# KiCad board Atari TT030.kicad_pcb (continued)
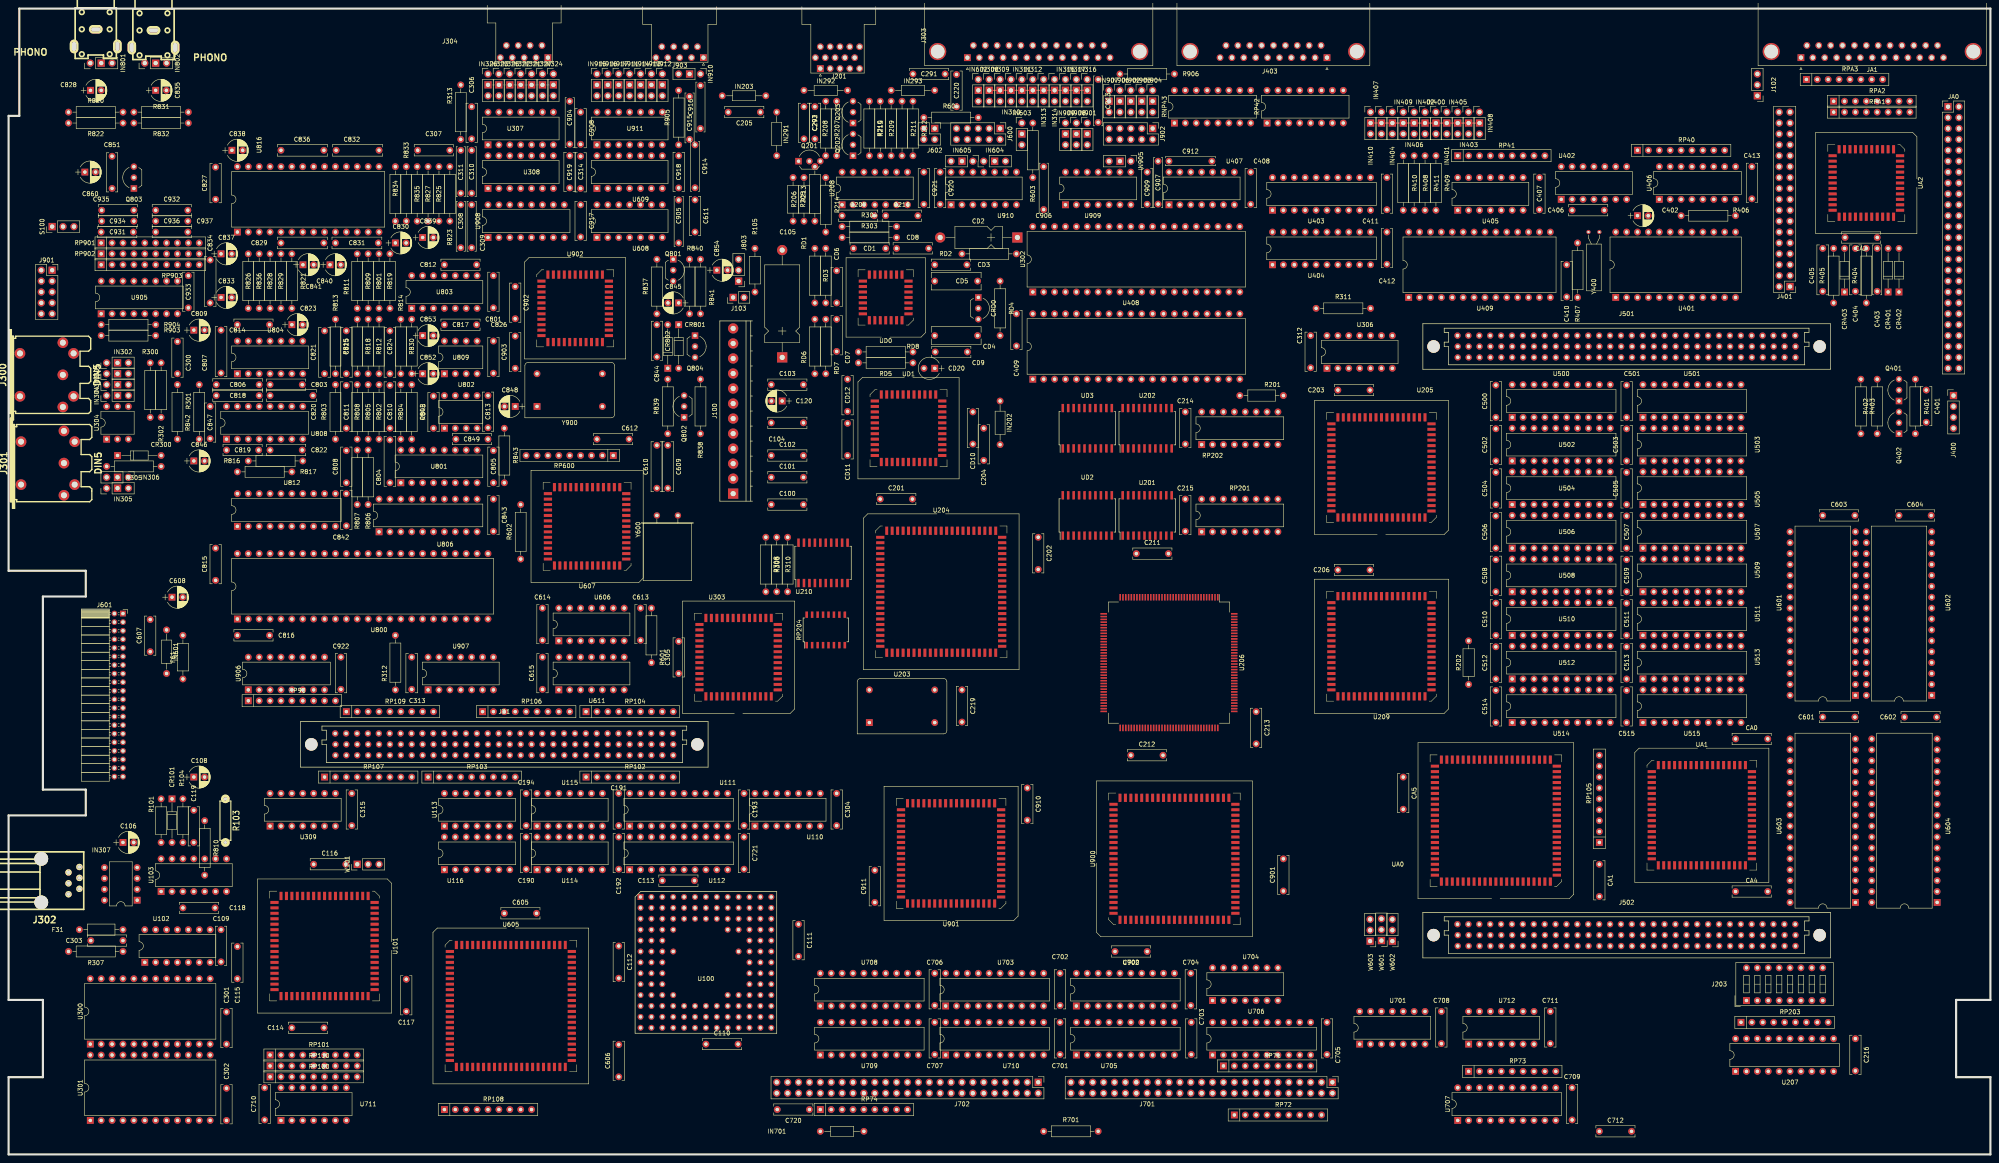
[diagram p0: board, top side]
## Placement (name value [footprint] x y rotation side) (continued)
J801  PHONO  [rca_red]  20.32 262.17 180 top
J802  PHONO  [rca_white]  33.78 261.92 180 top
J803  Conn_01x03  [Pin_Header_Straight_1x03_Pitch2.54mm]  170.18 203.5 180 top
J901  8MDIN  [Socket_Strip_Straight_2x05_Pitch2.54mm]  10.16 206.04 0 top
J902  10DRS  [Pin_Header_Straight_2x05_Pitch2.54mm]  266.7 239.06 270 top
J903  DB9P  [DSUB-9_Male_Horizontal_Pitch2.77x2.54mm_EdgePinOffset9.40mm]  161.98 255.57 180 top
JA0  50DRS  [Pin_Header_Straight_2x25_Pitch2.54mm]  452.12 244.14 0 top
JA1  DB-25S  [DSUB-25_Female_Horizontal_Pitch2.77x2.84mm_EdgePinOffset9.90mm_Housed_MountingHolesOffset11.32mm]  417.83 255.57 180 top
JB1  -  [EURO]  115.57 95.55 0 top
Q201  2N3904  [TO-92_Inline_Wide]  184.15 231.44 0 top
Q202  2N3904  [TO-92_Inline_Wide]  196.85 232.71 90 top
Q203  2N3904  [TO-92_Inline_Wide]  196.85 240.33 90 top
Q401  2N3906  [TO-92_Inline_Wide]  440.69 175.56 90 top
Q402  2N3904  [TO-92_Inline_Wide]  440.69 167.94 90 top
Q801  2N3904  [TO-92_Inline_Wide]  154.94 208.58 270 top
Q802  2N3904  [TO-92_Inline_Wide]  157.48 171.75 90 top
Q803  LM78L82  [TO-92_Inline_Wide]  29.21 225.09 90 top
Q804  2N3906  [TO-92_Inline_Wide]  160.02 190.8 270 top
R101  22K  [R_Axial_DIN0207_L6.3mm_D2.5mm_P10.16mm_Horizontal]  35.56 72.69 90 top
R103  4.7K  [RC05]  50.55 77.77 270 top
R104  10K  [R_Axial_DIN0207_L6.3mm_D2.5mm_P10.16mm_Horizontal]  40.64 82.85 270 top
R105  120  [R_Axial_DIN0207_L6.3mm_D2.5mm_P10.16mm_Horizontal]  173.99 211.12 270 top
R201  1K2  [R_Axial_DIN0207_L6.3mm_D2.5mm_P10.16mm_Horizontal]  287.02 176.83 0 top
R202  1K2  [R_Axial_DIN0207_L6.3mm_D2.5mm_P10.16mm_Horizontal]  340.36 109.52 90 top
R205  75  [R_Axial_DIN0207_L6.3mm_D2.5mm_P10.16mm_Horizontal]  182.88 227.63 270 top
R206  100  [R_Axial_DIN0207_L6.3mm_D2.5mm_P10.16mm_Horizontal]  185.42 217.47 90 top
R207  75  [R_Axial_DIN0309_L9.0mm_D3.2mm_P12.70mm_Horizontal]  190.5 245.41 270 top
R208  100  [R_Axial_DIN0309_L9.0mm_D3.2mm_P12.70mm_Horizontal]  193.04 232.71 90 top
R209  75  [R_Axial_DIN0309_L9.0mm_D3.2mm_P12.70mm_Horizontal]  203.2 245.41 270 top
R210  100  [R_Axial_DIN0309_L9.0mm_D3.2mm_P12.70mm_Horizontal]  205.74 232.71 90 top
R211  330  [R_Axial_DIN0309_L9.0mm_D3.2mm_P12.70mm_Horizontal]  208.28 245.41 270 top
R212  330  [R_Axial_DIN0309_L9.0mm_D3.2mm_P12.70mm_Horizontal]  210.82 245.41 270 top
R213  360  [R_Axial_DIN0309_L9.0mm_D3.2mm_P12.70mm_Horizontal]  187.96 217.47 90 top
R214  360  [R_Axial_DIN0309_L9.0mm_D3.2mm_P12.70mm_Horizontal]  190.5 227.63 270 top
R215  360  [R_Axial_DIN0309_L9.0mm_D3.2mm_P12.70mm_Horizontal]  200.66 245.41 270 top
R300  220  [R_Axial_DIN0309_L9.0mm_D3.2mm_P12.70mm_Horizontal]  33.02 171.75 90 top
R301  4K7  [R_Axial_DIN0309_L9.0mm_D3.2mm_P12.70mm_Horizontal]  39.37 166.67 90 top
R302  220  [R_Axial_DIN0309_L9.0mm_D3.2mm_P12.70mm_Horizontal]  35.56 171.75 90 top
R303  220  [R_Axial_DIN0309_L9.0mm_D3.2mm_P12.70mm_Horizontal]  194.31 213.66 0 top
R304  220  [R_Axial_DIN0309_L9.0mm_D3.2mm_P12.70mm_Horizontal]  194.31 216.2 0 top
R305  220  [R_Axial_DIN0309_L9.0mm_D3.2mm_P12.70mm_Horizontal]  35.56 160.32 180 top
R306  2K2  [R_Axial_DIN0309_L9.0mm_D3.2mm_P12.70mm_Horizontal]  176.53 143.81 270 top
R307  10K  [R_Axial_DIN0309_L9.0mm_D3.2mm_P12.70mm_Horizontal]  26.67 47.29 180 top
R308  3K3  [R_Axial_DIN0309_L9.0mm_D3.2mm_P12.70mm_Horizontal]  181.61 131.11 90 top
R310  10K  [R_Axial_DIN0309_L9.0mm_D3.2mm_P12.70mm_Horizontal]  179.07 143.81 270 top
R311  1K  [R_Axial_DIN0309_L9.0mm_D3.2mm_P12.70mm_Horizontal]  304.8 197.15 0 top
R312  4K7  [R_Axial_DIN0309_L9.0mm_D3.2mm_P12.70mm_Horizontal]  90.17 120.95 270 top
R313  12K  [R_Axial_DIN0309_L9.0mm_D3.2mm_P12.70mm_Horizontal]  105.41 249.22 270 top
R401  10K  [R_Axial_DIN0309_L9.0mm_D3.2mm_P12.70mm_Horizontal]  444.5 180.64 270 top
R402  51K  [R_Axial_DIN0309_L9.0mm_D3.2mm_P12.70mm_Horizontal]  435.61 167.94 90 top
R403  10K  [R_Axial_DIN0309_L9.0mm_D3.2mm_P12.70mm_Horizontal]  431.8 180.64 270 top
R404  2K  [R_Axial_DIN0309_L9.0mm_D3.2mm_P12.70mm_Horizontal]  433.07 198.42 90 top
R405  1K  [R_Axial_DIN0309_L9.0mm_D3.2mm_P12.70mm_Horizontal]  425.45 198.42 90 top
R406  10K  [R_Axial_DIN0309_L9.0mm_D3.2mm_P12.70mm_Horizontal]  389.89 218.74 0 top
R407  2M2  [R_Axial_DIN0309_L9.0mm_D3.2mm_P12.70mm_Horizontal]  365.76 199.69 90 top
R408  47  [R_Axial_DIN0309_L9.0mm_D3.2mm_P12.70mm_Horizontal]  327.66 232.71 270 top
R409  47  [R_Axial_DIN0309_L9.0mm_D3.2mm_P12.70mm_Horizontal]  332.74 232.71 270 top
R410  47  [R_Axial_DIN0309_L9.0mm_D3.2mm_P12.70mm_Horizontal]  325.12 232.71 270 top
R411  47  [R_Axial_DIN0309_L9.0mm_D3.2mm_P12.70mm_Horizontal]  330.2 232.71 270 top
R601  1K2  [R_Axial_DIN0309_L9.0mm_D3.2mm_P12.70mm_Horizontal]  149.86 114.6 90 top
R602  1K2  [R_Axial_DIN0309_L9.0mm_D3.2mm_P12.70mm_Horizontal]  119.38 138.73 90 top
R603  200  [R_Axial_DIN0309_L9.0mm_D3.2mm_P12.70mm_Horizontal]  238.76 227.63 90 top
R604  200  [R_Axial_DIN0309_L9.0mm_D3.2mm_P12.70mm_Horizontal]  213.36 241.6 0 top
R701  1K  [R_Axial_DIN0309_L9.0mm_D3.2mm_P12.70mm_Horizontal]  241.3 5.38 0 top
R801  8K2 1%  [R_Axial_DIN0309_L9.0mm_D3.2mm_P12.70mm_Horizontal]  86.36 197.15 90 top
R802  10K 1%  [R_Axial_DIN0309_L9.0mm_D3.2mm_P12.70mm_Horizontal]  86.36 166.67 90 top
R803  10K 1%  [R_Axial_DIN0309_L9.0mm_D3.2mm_P12.70mm_Horizontal]  76.2 166.67 90 top
R804  10K 1%  [R_Axial_DIN0309_L9.0mm_D3.2mm_P12.70mm_Horizontal]  91.44 179.37 270 top
R805  10K 1%  [R_Axial_DIN0309_L9.0mm_D3.2mm_P12.70mm_Horizontal]  83.82 166.67 90 top
R806  10K 1%  [R_Axial_DIN0309_L9.0mm_D3.2mm_P12.70mm_Horizontal]  83.82 151.43 90 top
R807  10K 1%  [R_Axial_DIN0309_L9.0mm_D3.2mm_P12.70mm_Horizontal]  81.28 164.13 270 top
R808  1K8 1%  [R_Axial_DIN0309_L9.0mm_D3.2mm_P12.70mm_Horizontal]  81.28 166.67 90 top
R809  8K2 1%  [R_Axial_DIN0309_L9.0mm_D3.2mm_P12.70mm_Horizontal]  83.82 197.15 90 top
R810  2K2  [R_Axial_DIN0309_L9.0mm_D3.2mm_P12.70mm_Horizontal]  45.72 77.77 270 top
R811  8K2 1%  [R_Axial_DIN0309_L9.0mm_D3.2mm_P12.70mm_Horizontal]  81.28 209.85 270 top
R812  10K 1%  [R_Axial_DIN0309_L9.0mm_D3.2mm_P12.70mm_Horizontal]  86.36 181.91 90 top
R813  10K 1%  [R_Axial_DIN0309_L9.0mm_D3.2mm_P12.70mm_Horizontal]  76.2 194.61 270 top
R814  10K 1%  [R_Axial_DIN0309_L9.0mm_D3.2mm_P12.70mm_Horizontal]  91.44 194.61 270 top
R815  10K 1%  [R_Axial_DIN0309_L9.0mm_D3.2mm_P12.70mm_Horizontal]  81.28 181.91 90 top
R816  10K 1%  [R_Axial_DIN0309_L9.0mm_D3.2mm_P12.70mm_Horizontal]  55.88 161.59 0 top
R817  10K 1%  [R_Axial_DIN0309_L9.0mm_D3.2mm_P12.70mm_Horizontal]  53.34 159.05 0 top
R818  1K8 1%  [R_Axial_DIN0309_L9.0mm_D3.2mm_P12.70mm_Horizontal]  83.82 181.91 90 top
R819  8K2  [R_Axial_DIN0309_L9.0mm_D3.2mm_P12.70mm_Horizontal]  88.9 209.85 270 top
R820  1K  [R_Axial_DIN0309_L9.0mm_D3.2mm_P12.70mm_Horizontal]  13.97 242.87 0 top
R821  51K  [R_Axial_DIN0309_L9.0mm_D3.2mm_P12.70mm_Horizontal]  66.04 209.85 270 top
R822  270K  [R_Axial_DIN0309_L9.0mm_D3.2mm_P12.70mm_Horizontal]  13.97 240.33 0 top
R823  47K  [R_Axial_DIN0309_L9.0mm_D3.2mm_P12.70mm_Horizontal]  102.87 217.47 90 top
R825  10K  [R_Axial_DIN0309_L9.0mm_D3.2mm_P12.70mm_Horizontal]  100.33 230.17 270 top
R826  10K  [R_Axial_DIN0309_L9.0mm_D3.2mm_P12.70mm_Horizontal]  55.88 209.85 270 top
R827  1K  [R_Axial_DIN0309_L9.0mm_D3.2mm_P12.70mm_Horizontal]  97.79 230.17 270 top
R828  10K  [R_Axial_DIN0309_L9.0mm_D3.2mm_P12.70mm_Horizontal]  60.96 209.85 270 top
R829  51K  [R_Axial_DIN0309_L9.0mm_D3.2mm_P12.70mm_Horizontal]  63.5 197.15 90 top
R830  100K 1%  [R_Axial_DIN0309_L9.0mm_D3.2mm_P12.70mm_Horizontal]  93.98 181.91 90 top
R831  1K  [R_Axial_DIN0309_L9.0mm_D3.2mm_P12.70mm_Horizontal]  29.21 242.87 0 top
R832  270K  [R_Axial_DIN0309_L9.0mm_D3.2mm_P12.70mm_Horizontal]  29.21 240.33 0 top
R833  47K  [R_Axial_DIN0309_L9.0mm_D3.2mm_P12.70mm_Horizontal]  92.71 217.47 90 top
R834  10K  [R_Axial_DIN0309_L9.0mm_D3.2mm_P12.70mm_Horizontal]  90.17 217.47 90 top
R835  1K  [R_Axial_DIN0309_L9.0mm_D3.2mm_P12.70mm_Horizontal]  95.25 230.17 270 top
R836  1K  [R_Axial_DIN0309_L9.0mm_D3.2mm_P12.70mm_Horizontal]  58.42 209.85 270 top
R837  5K1  [R_Axial_DIN0309_L9.0mm_D3.2mm_P12.70mm_Horizontal]  151.13 195.88 90 top
R838  4K7  [R_Axial_DIN0309_L9.0mm_D3.2mm_P12.70mm_Horizontal]  161.29 167.94 90 top
R839  5K1  [R_Axial_DIN0309_L9.0mm_D3.2mm_P12.70mm_Horizontal]  153.67 167.94 90 top
R840  2K7  [R_Axial_DIN0309_L9.0mm_D3.2mm_P12.70mm_Horizontal]  158.75 208.58 270 top
R841  2K7  [R_Axial_DIN0309_L9.0mm_D3.2mm_P12.70mm_Horizontal]  161.29 208.58 270 top
R842  10  [R_Axial_DIN0309_L9.0mm_D3.2mm_P12.70mm_Horizontal]  44.45 166.67 90 top
R843  10  [R_Axial_DIN0309_L9.0mm_D3.2mm_P12.70mm_Horizontal]  115.57 169.21 270 top
R845  100K 1%  [R_Axial_DIN0309_L9.0mm_D3.2mm_P12.70mm_Horizontal]  93.98 179.37 270 top
R903  100  [R_Axial_DIN0309_L9.0mm_D3.2mm_P12.70mm_Horizontal]  21.59 190.8 0 top
R904  100  [R_Axial_DIN0309_L9.0mm_D3.2mm_P12.70mm_Horizontal]  21.59 193.34 0 top
R905  12K  [R_Axial_DIN0309_L9.0mm_D3.2mm_P12.70mm_Horizontal]  156.21 235.25 90 top
R906  12K  [R_Axial_DIN0309_L9.0mm_D3.2mm_P12.70mm_Horizontal]  259.08 251.76 0 top
RD1  5K1  [R_Axial_DIN0309_L9.0mm_D3.2mm_P12.70mm_Horizontal]  187.96 211.12 270 top
RD2  270  [R_Axial_DIN0309_L9.0mm_D3.2mm_P12.70mm_Horizontal]  234.95 209.85 180 top
RD3  1K  [R_Axial_DIN0309_L9.0mm_D3.2mm_P12.70mm_Horizontal]  190.5 198.42 90 top
RD4  10K  [R_Axial_DIN0309_L9.0mm_D3.2mm_P12.70mm_Horizontal]  231.14 203.5 270 top
RD5  560  [R_Axial_DIN0309_L9.0mm_D3.2mm_P12.70mm_Horizontal]  198.12 184.45 0 top
RD6  560  [R_Axial_DIN0309_L9.0mm_D3.2mm_P12.70mm_Horizontal]  187.96 194.61 270 top
RD7  560  [R_Axial_DIN0309_L9.0mm_D3.2mm_P12.70mm_Horizontal]  190.5 194.61 270 top
RD8  560  [R_Axial_DIN0309_L9.0mm_D3.2mm_P12.70mm_Horizontal]  198.12 186.99 0 top
RNP43  68x8  [DIP-16_W7.62mm]  271.78 240.33 90 top
RP40  1Kx8  [R_Array_SIP9]  379.73 233.98 0 top
RP41  1Kx8  [R_Array_SIP9]  337.82 232.71 0 top
RP42  68x8  [DIP-16_W7.62mm]  293.37 240.33 90 top
RP71  10Kx8  [R_Array_SIP9]  283.21 20.62 0 top
RP72  10Kx8  [R_Array_SIP9]  285.75 9.19 0 top
RP73  10Kx8  [R_Array_SIP9]  340.36 19.35 0 top
RP74  10Kx8  [R_Array_SIP9]  189.23 10.46 0 top
RP90  4K7x8  [R_Array_SIP9]  55.88 105.71 0 top
RP100  1.2Kx8  [R_Array_SIP9]  60.96 18.08 0 top
RP101  1.2Kx8  [R_Array_SIP9]  60.96 23.16 0 top
RP102  10Kx8  [R_Array_SIP9]  134.62 87.93 0 top
RP103  10Kx8  [R_Array_SIP9]  97.79 87.93 0 top
RP104  10Kx8  [R_Array_SIP9]  134.62 103.17 0 top
RP105  10Kx8  [R_Array_SIP9]  370.84 72.69 90 top
RP106  10Kx8  [R_Array_SIP9]  110.49 103.17 0 top
RP107  10Kx8  [R_Array_SIP9]  73.66 87.93 0 top
RP108  10Kx8  [R_Array_SIP9]  101.6 10.46 0 top
RP109  10Kx8  [R_Array_SIP9]  78.74 103.17 0 top
RP110  10Kx8  [R_Array_SIP9]  60.96 20.62 0 top
RP201  47x8  [DIP-16_W7.62mm]  278.13 145.08 90 top
RP202  47x8  [DIP-16_W7.62mm]  278.13 165.4 90 top
RP203  4K7x8  [R_Array_SIP9]  403.86 30.78 0 top
RP204  68x8  [SOIC-16W_5.3x10.2mm_Pitch1.27mm]  190.5 122.22 90 top
RP600  2K2x8  [R_Array_SIP9]  140.97 162.86 180 top
RP901  27  [R_Array_SIP10]  21.59 212.39 0 top
RP902  27  [R_Array_SIP10]  21.59 209.85 0 top
RP903  27  [R_Array_SIP10]  21.59 207.31 0 top
RPA1  220/330 TERM  [R_Array_SIP8]  425.45 242.87 0 top
RPA2  220/330 TERM  [R_Array_SIP8]  425.45 245.41 0 top
RPA3  220/330 TERM  [R_Array_SIP8]  419.1 250.49 0 top
S100  SW_Push  [Pin_Header_Straight_1x03_Pitch2.54mm]  10.16 216.2 90 top
U100  MC68030  [PGA128]  162.56 44.75 180 top
U101  MC68882  [PLCC-68_SMD-Socket]  73.66 48.56 270 top
U102  74LS05  [DIP-14_W7.62mm]  31.75 44.75 90 top
U103  LM556  [DIP-14_W7.62mm]  35.56 61.26 90 top
U110  74F04  [DIP-14_W7.62mm]  173.99 76.5 90 top
U111  PAL16R4  [DIP-20_W7.62mm]  144.78 76.5 90 top
U112  PAL16L8  [DIP-20_W7.62mm]  144.78 66.34 90 top
U113  74F74  [DIP-14_W7.62mm]  101.6 76.5 90 top
U114  74F74  [DIP-14_W7.62mm]  123.19 66.34 90 top
U115  74F74  [DIP-14_W7.62mm]  123.19 76.5 90 top
U116  74F74  [DIP-14_W7.62mm]  101.6 66.34 90 top
U201  74ALS244  [SOIC-20W_7.5x12.8mm_Pitch1.27mm]  265.43 148.89 90 top
U202  74ALS244  [SOIC-20W_7.5x12.8mm_Pitch1.27mm]  265.43 169.21 90 top
U203  CRYSTAL32  [Oscillator_DIP-14]  200.66 100.63 0 top
U204  TTVIDEO  [PLCC-84_SMD-Socket]  217.41 131.11 0 top
U205  FUNNEL  [PLCC-68_SMD-Socket]  320.04 160.08 180 top
U206  MCU  [U206]  270.51 114.6 270 top
U207  74LS244  [DIP-20_W7.62mm]  402.59 19.35 90 top
U208  7407  [DIP-14_W7.62mm]  194.31 221.28 90 top
U209  FUNNEL  [PLCC-68_SMD-Socket]  320.04 118.41 180 top
U210  74AC244  [SOIC-20W_7.5x12.8mm_Pitch1.27mm]  189.87 137.84 90 top
U300  MC6850  [DIP-24_W15.24mm]  19.05 25.7 90 top
U301  MC6850  [DIP-24_W15.24mm]  19.05 7.92 90 top
U302  YM2149  [DIP-40_W15.24mm]  238.76 200.96 90 top
U303  MC68901  [PLCC-52_SMD-Socket]  170.18 115.87 180 top
U304  PC_900  [DIP-6_W7.62mm]  22.86 166.67 90 top
U306  74LS02  [DIP-14_W7.62mm]  307.34 183.18 90 top
U307  1488  [DIP-14_W7.62mm]  111.76 235.25 90 top
U308  1489  [DIP-14_W7.62mm]  111.76 225.09 90 top
U309  74LS164  [DIP-14_W7.62mm]  60.96 76.5 90 top
U401  MC146818A  [DIP-24_W15.24mm]  374.65 199.69 90 top
U402  14069  [DIP-14_W7.62mm]  361.95 222.55 90 top
U403  74LS244  [DIP-20_W7.62mm]  294.64 220.01 90 top
U404  74LS245  [DIP-20_W7.62mm]  294.64 207.31 90 top
U405  7406  [DIP-14_W7.62mm]  337.82 220.01 90 top
U406  26LS31  [DIP-16_W7.62mm]  384.81 222.55 90 top
U407  74LS74  [DIP-14_W7.62mm]  270.51 221.28 90 top
U408  DMA  [DIP-40_W15.24mm]  238.76 180.64 90 top
U409  WD1772  [DIP-28_W15.24mm]  326.39 199.69 90 top
U500  256Kx4  [DIP-20_W7.62mm]  350.52 171.75 90 top
U501  256Kx4  [DIP-20_W7.62mm]  381 171.75 90 top
U502  256Kx4  [DIP-20_W7.62mm]  350.52 161.59 90 top
U503  256Kx4  [DIP-20_W7.62mm]  381 161.59 90 top
U504  256Kx4  [DIP-20_W7.62mm]  350.52 151.43 90 top
U505  256Kx4  [DIP-20_W7.62mm]  381 151.43 90 top
U506  256Kx4  [DIP-20_W7.62mm]  350.52 141.27 90 top
U507  256Kx4  [DIP-20_W7.62mm]  381 141.27 90 top
U508  256Kx4  [DIP-20_W7.62mm]  350.52 131.11 90 top
U509  256Kx4  [DIP-20_W7.62mm]  381 131.11 90 top
U510  256Kx4  [DIP-20_W7.62mm]  350.52 120.95 90 top
U511  256Kx4  [DIP-20_W7.62mm]  381 120.95 90 top
U512  256Kx4  [DIP-20_W7.62mm]  350.52 110.79 90 top
U513  256Kx4  [DIP-20_W7.62mm]  381 110.79 90 top
U514  256Kx4  [DIP-20_W7.62mm]  350.52 100.63 90 top
U515  256Kx4  [DIP-20_W7.62mm]  381 100.63 90 top
U601  1M-EPROM  [DIP-32_W15.24mm]  430.53 106.98 180 top
U602  1M-EPROM  [DIP-32_W15.24mm]  448.31 106.98 180 top
U603  1M-EPROM  [DIP-32_W15.24mm]  430.53 58.72 180 top
U604  1M-EPROM  [DIP-32_W15.24mm]  449.58 58.72 180 top
U605  TTSCU  [PLCC-84_SMD-Socket]  117.08 34.59 0 top
U606  74HCT04  [DIP-14_W7.62mm]  128.27 119.68 90 top
U607  MC68901  [PLCC-52_SMD-Socket]  134.86 146.35 180 top
U608  1489  [DIP-14_W7.62mm]  137.16 213.66 90 top
U609  1488  [DIP-14_W7.62mm]  137.16 225.09 90 top
U611  74LS05  [DIP-14_W7.62mm]  128.27 108.25 90 top
U701  74LS74  [DIP-14_W7.62mm]  314.96 25.7 90 top
U702  PAL16L8  [DIP-20_W7.62mm]  248.92 34.59 90 top
U703  PAL16L8  [DIP-20_W7.62mm]  218.44 34.59 90 top
U704  74AC04  [DIP-14_W7.62mm]  280.67 35.86 90 top
U705  74LS244  [DIP-20_W7.62mm]  248.92 23.16 90 top
U706  74LS245  [DIP-20_W7.62mm]  280.67 23.16 90 top
U707  74LS245  [DIP-20_W7.62mm]  337.82 7.92 90 top
U708  74LS244  [DIP-20_W7.62mm]  189.23 34.59 90 top
U709  74LS244  [DIP-20_W7.62mm]  189.23 23.16 90 top
U710  74LS244  [DIP-20_W7.62mm]  218.44 23.16 90 top
U711  7430  [DIP-14_W7.62mm]  63.5 7.92 90 top
U712  74LS74  [DIP-14_W7.62mm]  340.36 25.7 90 top
U800  SNDSHIFTER  [DIP-48_W15.24mm]  53.34 124.76 90 top
U801  DAC0802  [DIP-16_W7.62mm]  91.44 156.51 90 top
U802  MF4-100  [DIP-8_W7.62mm]  101.6 169.21 90 top
U803  LF347  [DIP-14_W7.62mm]  93.98 197.15 90 top
U804  LF347  [DIP-14_W7.62mm]  53.34 181.91 90 top
U806  74F374  [DIP-20_W7.62mm]  86.36 145.08 90 top
U808  DAC0802  [DIP-16_W7.62mm]  50.8 166.67 90 top
U809  MF4-100  [DIP-8_W7.62mm]  101.6 181.91 90 top
U812  74F374  [DIP-20_W7.62mm]  53.34 146.35 90 top
U816  LMC1992  [DIP-28_W15.24mm]  53.34 214.93 90 top
U900  DMAC  [PLCC-84_SMD-Socket]  271.78 68.88 90 top
U901  DCU  [PLCC-68_SMD-Socket]  219.71 70.15 180 top
U902  Z8530  [PLCC-44_SMD-Socket]  132.08 197.15 0 top
U905  26LS30  [DIP-16_W7.62mm]  21.59 195.88 90 top
U906  DS34F86  [DIP-16_W7.62mm]  55.88 108.25 90 top
U907  74LS86  [DIP-14_W7.62mm]  97.79 108.25 90 top
U908  74HC367  [DIP-16_W7.62mm]  111.76 213.66 90 top
U909  1489  [DIP-14_W7.62mm]  246.38 221.28 90 top
U910  1488  [DIP-14_W7.62mm]  219.71 221.28 90 top
U911  1489  [DIP-14_W7.62mm]  137.16 235.25 90 top
UA0  DMAC  [PLCC-84_SMD-Socket]  346.71 77.77 180 top
UA1  DCU  [PLCC-68_SMD-Socket]  394.73 79.04 0 top
UA2  5380  [PLCC-44_SMD-Socket]  433.07 226.36 270 top
UD0  DP8530  [PLCC-28_SMD-Socket]  204.47 199.69 180 top
UD1  DP8516  [PLCC-44_SMD-Socket]  209.79 169.21 0 top
UD2  74LS240  [SOIC-20W_7.5x12.8mm_Pitch1.27mm]  251.46 148.89 90 top
UD3  74LS240  [SOIC-20W_7.5x12.8mm_Pitch1.27mm]  251.46 169.21 90 top
W101  Conn_01x03_Male  [Socket_Strip_Straight_1x03_Pitch2.54mm]  81.28 67.61 90 top
W601  ~  [Pin_Header_Straight_1x03_Pitch2.54mm]  320.04 49.83 180 top
W602  Jumper_3_Bridged23  [Pin_Header_Straight_1x03_Pitch2.54mm]  322.58 49.7 180 top
W603  Jumper_3_Bridged23  [Pin_Header_Straight_1x03_Pitch2.54mm]  317.39 49.7 180 top
Y400  32.768KHZ  [Crystal_AT310_d3.0mm_l10.0mm_Horizontal]  368.3 214.93 0 top
Y600  2.4576MHZ  [Crystal_HC18-U_Horizontal]  151.13 148.89 0 top
Y900  Y900  [Oscillator_DIP-14]  123.19 174.29 0 top

## Library data of the parts
C100-C104 C109-C119 C192-C194 C201-C206 C209-C216 C219 C220 C291-C293 C300-C315 C401 C403-C413 C500-C515 C601-C607 C609-C615 C701-C712 C720 C721 C801-C808 C810-C822 C824-C827 C829 C831 C832 C834 C836 C842-C844 C847 C849 C851 C900-C922 C931-C937 CA0-CA2 CA4 CA5 CD1-CD12 = -: Description: Unpolarized capacitor; ki_fp_filters: C_*
C105 C106 C108 C120 C190 C191 C402 C608 C809 C823 C828 C830 C833 C835 C837-C841 C845 C846 C848 C852-C854 C860 CD20 = -: ki_fp_filters: CP_*
CR101 CR300 CR401-CR403 CR801 CR802 = -: Description: Diode; Sim.Device: D; Sim.Pins: 1=K 2=A; ki_fp_filters: TO-???* *_Diode_* *SingleDiode* D_*
CRD0 = -: Description: Variable capacitance diode; ki_fp_filters: TO-???* *_Diode_* *SingleDiode* D_*
F31 F61 = -: Description: Fuse; ki_fp_filters: *Fuse*
IN202 IN203 IN291-IN293 IN601 IN701 = -: ki_fp_filters: Inductor_* L_* *Ferrite*
IN301-IN306 IN308-IN317 IN321-IN327 IN400-IN410 IN602-IN605 IN801 IN802 IN901-IN917 = -: Description: Inductor; ki_fp_filters: Choke_* *Coil* Inductor_* L_*
IN307 = -: ki_fp_filters: Choke_* *Coil* Inductor_* L_*
J100 J103 J300-J304 J400 J403 J501 J502 J601 J801 J802 J901 J903 JA1 JB1 = -: ki_fp_filters: Connector*:*_1x??_*
J102 J201 J803 = -: ki_fp_filters: Connector*:*_??x*mm* Connector*:*1x??x*mm* Pin?Header?Straight?1X* Pin?Header?Angled?1X* Socket?Strip?Straight?1X* Socket?Strip?Angled?1X*
J203 = -: ki_fp_filters: SW?DIP?x8*
J401 J600 J602 J902 = -: ki_fp_filters: Connector*:*2x??x*mm* Connector*:*2x???Pitch* Pin_Header_Straight_2X* Pin_Header_Angled_2X* Socket_Strip_Straight_2X* Socket_Strip_Angled_2X*
J701 J702 JA0 = -: ki_fp_filters: Connector*:*_2x??-1MP*
Q201-Q203 Q402 = -: Datasheet: https://www.fairchildsemi.com/datasheets/2N/2N3904.pdf; ki_fp_filters: TO?92*
R101 R103-R105 R201 R202 R205-R215 R300-R308 R310-R313 R401-R411 R601-R604 R701 R801-R823 R825-R843 R845 R903-R906 RD1-RD8 = -: Description: Resistor; ki_fp_filters: R_*
RNP43 RP42 RP201 RP202 RP204 RP901-RP903 = -: ki_fp_filters: DIP* SOIC*
RP40 RP41 RP71-RP74 RP90 RP100-RP110 RP203 RP600 RPA1-RPA3 = -: Datasheet: http://www.vishay.com/docs/31509/csc.pdf; ki_fp_filters: R?Array?SIP*
U100 = -: ki_fp_filters: PGA114
U102 = -: Datasheet: http://www.ti.com/lit/gpn/sn74LS05; ki_fp_filters: DIP?14*
U103 = -: Datasheet: http://www.ti.com/lit/ds/symlink/lm556.pdf; ki_fp_filters: DIP*W7.62mm* TSSOP*5.3x6.2mm*Pitch0.65mm* SOIC*3.9x8.7mm*Pitch1.27mm*
U110 U402 = -: Datasheet: http://www.ti.com/lit/gpn/sn74LS04; ki_fp_filters: DIP?14*
U113-U116 U407 U701 U712 = -: Datasheet: 74xx/74hc_hct74.pdf; ki_fp_filters: DIP?14*
U201 U202 U207 U210 U403 U404 U705-U710 UD2 UD3 = -: Datasheet: http://www.nxp.com/documents/data_sheet/74HC_HCT244.pdf; ki_fp_filters: TSSOP*4.4x6.5mm*P0.65mm* SSOP*4.4x6.5mm*P0.65mm*
U300 U301 = -: Datasheet: http://pdf.datasheetcatalog.com/datasheet/motorola/MC6850.pdf; ki_fp_filters: DIP*W15.24mm*
U307 U910 = -: ki_fp_filters: 14DIP300*
U601-U604 = -: Datasheet: memory/27c010.pdf
U606 U704 = -: Datasheet: http://www.nxp.com/documents/data_sheet/74HC_HCT04.pdf; ki_fp_filters: DIP?14*
U806 U812 = -: Datasheet: http://www.ti.com/lit/gpn/sn74LS374; ki_fp_filters: DIP?20*
U902 = -: ki_fp_filters: DIP* PDIP*
U906 = -: Datasheet: http://www.ti.com/lit/ds/symlink/mc3486.pdf; ki_fp_filters: DIP*W7.62mm*
U907 = -: Datasheet: 74xx/74ls86.pdf; ki_fp_filters: DIP?14*
W101 = -: ki_fp_filters: Connector*:*_??x*mm* Connector*:*1x??x*mm* Pin?Header?Straight?1X* Pin?Header?Angled?1X*
W601-W603 = -: ki_fp_filters: Jumper*Bridged12*
Y400 Y600 = -: Description: Two pin crystal; ki_fp_filters: Crystal*

## Footprints (pads in the part's own frame, mm; a bottom-side part is the same pattern mirrored in y, then rotated)
C_Rect_L9.0mm_W2.5mm_P7.50mm_MKT
  round 1.6 hole 0.8: 1(0,0) 2(7.5,0)
C_Rect_L9.0mm_W2.6mm_P7.50mm_MKT
  round 1.6 hole 0.8: 1(0,0) 2(7.5,0)
C_Rect_L11.5mm_W2.0mm_P10.00mm_MKT
  round 1.6 hole 0.8: 1(0,0) 2(10,0)
C_Rect_L11.5mm_W2.6mm_P10.00mm_MKT
  round 1.6 hole 0.8: 1(0,0) 2(10,0)
C_Rect_L11.5mm_W4.0mm_P10.00mm_MKT
  round 1.6 hole 0.8: 1(0,0) 2(10,0)
CP_Axial_L11.0mm_D5.0mm_P18.00mm_Horizontal
  rect 2.4x2.4 hole 1.2: 1(0,0)
  oval 2.4x2.4 hole 1.2: 2(18,0)
CP_Axial_L18.0mm_D8.0mm_P25.00mm_Horizontal
  rect 2.4x2.4 hole 1.2: 1(0,0)
  oval 2.4x2.4 hole 1.2: 2(25,0)
CP_Radial_D5.0mm_P2.50mm
  rect 1.6x1.6 hole 0.8: 1(0,0)
  round 1.6 hole 0.8: 2(2.5,0)
CP_Radial_Tantal_D5.0mm_P2.50mm
  rect 1.6x1.6 hole 0.8: 1(0,0)
  round 1.6 hole 0.8: 2(2.5,0)
Crystal_AT310_d3.0mm_l10.0mm_Horizontal
  round 1 hole 0.5: 1(0,0) 2(2.54,0)
Crystal_HC18-U_Horizontal
  round 1.5 hole 0.8: 1(0,0) 2(4.9,0)
D_DO-35_SOD27_P10.16mm_Horizontal
  rect 1.6x1.6 hole 0.8: 1(0,0)
  oval 1.6x1.6 hole 0.8: 2(10.16,0)
din-5
  round 2.5 hole 1.4: 1(7.5,3) 2(0,3) 3(-7.5,3) 4(5,5.5) 5(-5,5.5) 6(-5,-7) 6(5,-7)
DIP-6_W7.62mm
  rect 1.6x1.6 hole 0.8: 1(0,0)
  oval 1.6x1.6 hole 0.8: 2(0,-2.54) 3(0,-5.08) 4(7.62,-5.08) 5(7.62,-2.54) 6(7.62,0)
DIP-8_W7.62mm
  rect 1.6x1.6 hole 0.8: 1(0,0)
  oval 1.6x1.6 hole 0.8: 2(0,-2.54) 3(0,-5.08) 4(0,-7.62) 5(7.62,-7.62) 6(7.62,-5.08) 7(7.62,-2.54) 8(7.62,0)
DIP-14_W7.62mm
  rect 1.6x1.6 hole 0.8: 1(0,0)
  oval 1.6x1.6 hole 0.8: 2(0,-2.54) 3(0,-5.08) 4(0,-7.62) 5(0,-10.16) 6(0,-12.7) 7(0,-15.24) 8(7.62,-15.24) 9(7.62,-12.7) 10(7.62,-10.16) 11(7.62,-7.62) 12(7.62,-5.08) 13(7.62,-2.54) 14(7.62,0)
DIP-16_W7.62mm
  rect 1.6x1.6 hole 0.8: 1(0,0)
  oval 1.6x1.6 hole 0.8: 2(0,-2.54) 3(0,-5.08) 4(0,-7.62) 5(0,-10.16) 6(0,-12.7) 7(0,-15.24) 8(0,-17.78) 9(7.62,-17.78) 10(7.62,-15.24) 11(7.62,-12.7) 12(7.62,-10.16) 13(7.62,-7.62) 14(7.62,-5.08) 15(7.62,-2.54) 16(7.62,0)
DIP-20_W7.62mm
  rect 1.6x1.6 hole 0.8: 1(0,0)
  oval 1.6x1.6 hole 0.8: 2(0,-2.54) 3(0,-5.08) 4(0,-7.62) 5(0,-10.16) 6(0,-12.7) 7(0,-15.24) 8(0,-17.78) 9(0,-20.32) 10(0,-22.86) 11(7.62,-22.86) 12(7.62,-20.32) 13(7.62,-17.78) 14(7.62,-15.24) 15(7.62,-12.7) 16(7.62,-10.16) 17(7.62,-7.62) 18(7.62,-5.08) 19(7.62,-2.54) 20(7.62,0)
DIP-24_W15.24mm
  rect 1.6x1.6 hole 0.8: 1(0,0)
  oval 1.6x1.6 hole 0.8: 2(0,-2.54) 3(0,-5.08) 4(0,-7.62) 5(0,-10.16) 6(0,-12.7) 7(0,-15.24) 8(0,-17.78) 9(0,-20.32) 10(0,-22.86) 11(0,-25.4) 12(0,-27.94) 13(15.24,-27.94) 14(15.24,-25.4) 15(15.24,-22.86) 16(15.24,-20.32) 17(15.24,-17.78) 18(15.24,-15.24) 19(15.24,-12.7) 20(15.24,-10.16) 21(15.24,-7.62) 22(15.24,-5.08) 23(15.24,-2.54) 24(15.24,0)
DIP-28_W15.24mm
  rect 1.6x1.6 hole 0.8: 1(0,0)
  oval 1.6x1.6 hole 0.8: 2(0,-2.54) 3(0,-5.08) 4(0,-7.62) 5(0,-10.16) 6(0,-12.7) 7(0,-15.24) 8(0,-17.78) 9(0,-20.32) 10(0,-22.86) 11(0,-25.4) 12(0,-27.94) 13(0,-30.48) 14(0,-33.02) 15(15.24,-33.02) 16(15.24,-30.48) 17(15.24,-27.94) 18(15.24,-25.4) 19(15.24,-22.86) 20(15.24,-20.32) 21(15.24,-17.78) 22(15.24,-15.24) 23(15.24,-12.7) 24(15.24,-10.16) 25(15.24,-7.62) 26(15.24,-5.08) 27(15.24,-2.54) 28(15.24,0)
DIP-32_W15.24mm
  rect 1.6x1.6 hole 0.8: 1(0,0)
  oval 1.6x1.6 hole 0.8: 2(0,-2.54) 3(0,-5.08) 4(0,-7.62) 5(0,-10.16) 6(0,-12.7) 7(0,-15.24) 8(0,-17.78) 9(0,-20.32) 10(0,-22.86) 11(0,-25.4) 12(0,-27.94) 13(0,-30.48) 14(0,-33.02) 15(0,-35.56) 16(0,-38.1) 17(15.24,-38.1) 18(15.24,-35.56) 19(15.24,-33.02) 20(15.24,-30.48) 21(15.24,-27.94) 22(15.24,-25.4) 23(15.24,-22.86) 24(15.24,-20.32) 25(15.24,-17.78) 26(15.24,-15.24) 27(15.24,-12.7) 28(15.24,-10.16) 29(15.24,-7.62) 30(15.24,-5.08) 31(15.24,-2.54) 32(15.24,0)
DIP-40_W15.24mm
  rect 1.6x1.6 hole 0.8: 1(0,0)
  oval 1.6x1.6 hole 0.8: 2(0,-2.54) 3(0,-5.08) 4(0,-7.62) 5(0,-10.16) 6(0,-12.7) 7(0,-15.24) 8(0,-17.78) 9(0,-20.32) 10(0,-22.86) 11(0,-25.4) 12(0,-27.94) 13(0,-30.48) 14(0,-33.02) 15(0,-35.56) 16(0,-38.1) 17(0,-40.64) 18(0,-43.18) 19(0,-45.72) 20(0,-48.26) 21(15.24,-48.26) 22(15.24,-45.72) 23(15.24,-43.18) 24(15.24,-40.64) 25(15.24,-38.1) 26(15.24,-35.56) 27(15.24,-33.02) 28(15.24,-30.48) 29(15.24,-27.94) 30(15.24,-25.4) 31(15.24,-22.86) 32(15.24,-20.32) 33(15.24,-17.78) 34(15.24,-15.24) 35(15.24,-12.7) 36(15.24,-10.16) 37(15.24,-7.62) 38(15.24,-5.08) 39(15.24,-2.54) 40(15.24,0)
DIP-48_W15.24mm
  rect 1.6x1.6 hole 0.8: 1(0,0)
  oval 1.6x1.6 hole 0.8: 2(0,-2.54) 3(0,-5.08) 4(0,-7.62) 5(0,-10.16) 6(0,-12.7) 7(0,-15.24) 8(0,-17.78) 9(0,-20.32) 10(0,-22.86) 11(0,-25.4) 12(0,-27.94) 13(0,-30.48) 14(0,-33.02) 15(0,-35.56) 16(0,-38.1) 17(0,-40.64) 18(0,-43.18) 19(0,-45.72) 20(0,-48.26) 21(0,-50.8) 22(0,-53.34) 23(0,-55.88) 24(0,-58.42) 25(15.24,-58.42) 26(15.24,-55.88) 27(15.24,-53.34) 28(15.24,-50.8) 29(15.24,-48.26) 30(15.24,-45.72) 31(15.24,-43.18) 32(15.24,-40.64) 33(15.24,-38.1) 34(15.24,-35.56) 35(15.24,-33.02) 36(15.24,-30.48) 37(15.24,-27.94) 38(15.24,-25.4) 39(15.24,-22.86) 40(15.24,-20.32) 41(15.24,-17.78) 42(15.24,-15.24) 43(15.24,-12.7) 44(15.24,-10.16) 45(15.24,-7.62) 46(15.24,-5.08) 47(15.24,-2.54) 48(15.24,0)
DSUB-9_Male_Horizontal_Pitch2.77x2.54mm_EdgePinOffset9.40mm
  rect 1.6x1.6 hole 1: 1(0,0)
  round 1.6 hole 1: 2(2.77,0) 3(5.54,0) 4(8.31,0) 5(11.08,0) 6(1.385,-2.54) 7(4.155,-2.54) 8(6.925,-2.54) 9(9.695,-2.54)
DSUB-9_Male_Horizontal_Pitch2.77x2.84mm_EdgePinOffset9.40mm
  rect 1.6x1.6 hole 1: 1(0,0)
  round 1.6 hole 1: 2(2.77,0) 3(5.54,0) 4(8.31,0) 5(11.08,0) 6(1.385,-2.84) 7(4.155,-2.84) 8(6.925,-2.84) 9(9.695,-2.84)
DSUB-15-HD_Female_Horizontal_Pitch2.29x2.54mm_EdgePinOffset9.40mm
  rect 1.6x1.6 hole 1: 1(0,0)
  round 1.6 hole 1: 2(-2.29,0) 3(-4.58,0) 4(-6.87,0) 5(-9.16,0) 6(1.145,-2.54) 7(-1.145,-2.54) 8(-3.435,-2.54) 9(-5.725,-2.54) 10(-8.015,-2.54) 11(0,-5.08) 12(-2.29,-5.08) 13(-4.58,-5.08) 14(-6.87,-5.08) 15(-9.16,-5.08)
DSUB-19_Male_Horizontal_Pitch2.77x2.84mm_EdgePinOffset9.90mm_Housed_MountingHolesOffset11.32mm
  round 4 hole 3.2: 0(-6.93,-1.42) 0(31.915,-1.42)
  rect 1.6x1.6 hole 1: 1(0,0)
  round 1.6 hole 1: 2(2.77,0) 3(5.54,0) 4(8.31,0) 5(11.08,0) 6(13.85,0) 7(16.62,0) 8(19.39,0) 9(22.16,0) 10(24.93,0) 11(1.385,-2.84) 12(4.155,-2.84) 13(6.925,-2.84) 14(9.695,-2.84) 15(12.465,-2.84) 16(15.235,-2.84) 17(18.005,-2.84) 18(20.775,-2.84) 19(23.545,-2.84)
DSUB-25_Female_Horizontal_Pitch2.77x2.84mm_EdgePinOffset9.90mm_Housed_MountingHolesOffset11.32mm
  round 4 hole 3.2: 0(-40.17,-1.42) 0(6.93,-1.42)
  rect 1.6x1.6 hole 1: 1(0,0)
  round 1.6 hole 1: 2(-2.77,0) 3(-5.54,0) 4(-8.31,0) 5(-11.08,0) 6(-13.85,0) 7(-16.62,0) 8(-19.39,0) 9(-22.16,0) 10(-24.93,0) 11(-27.7,0) 12(-30.47,0) 13(-33.24,0) 14(-1.385,-2.84) 15(-4.155,-2.84) 16(-6.925,-2.84) 17(-9.695,-2.84) 18(-12.465,-2.84) 19(-15.235,-2.84) 20(-18.005,-2.84) 21(-20.775,-2.84) 22(-23.545,-2.84) 23(-26.315,-2.84) 24(-29.085,-2.84) 25(-31.855,-2.84)
EMI_FILTER
  oval 1.7x1.7 hole 1: 1(0,0) 2(0,-5.08)
  rect 1.7x1.7 hole 1: 3(0,-2.54)
EURO
  round 1.501 hole 0.8: 1(-39.424,2.54) 2(-36.884,2.54) 3(-34.344,2.54) 4(-31.804,2.54) 5(-29.264,2.54) 6(-26.724,2.54) 7(-24.184,2.54) 8(-21.644,2.54) 9(-19.104,2.54) 10(-16.564,2.54) 11(-14.024,2.54) 12(-11.484,2.54) 13(-8.944,2.54) 14(-6.404,2.54) 15(-3.864,2.54) 16(-1.324,2.54) 17(1.216,2.54) 18(3.756,2.54) 19(6.296,2.54) 20(8.836,2.54) 21(11.376,2.54) 22(13.916,2.54) 23(16.456,2.54) 24(18.996,2.54) 25(21.536,2.54) 26(24.076,2.54) 27(26.616,2.54) 28(29.156,2.54) 29(31.696,2.54) 30(34.236,2.54) 31(36.776,2.54) 32(39.316,2.54) 33(-39.37,0) 34(-36.83,0) 35(-34.29,0) 36(-31.75,0) 37(-29.21,0) 38(-26.67,0) 39(-24.13,0) 40(-21.59,0) 41(-19.05,0) 42(-16.51,0) 43(-13.97,0) 44(-11.43,0) 45(-8.89,0) 46(-6.35,0) 47(-3.81,0) 48(-1.27,0) 49(1.27,0) 50(3.81,0) 51(6.35,0) 52(8.89,0) 53(11.43,0) 54(13.97,0) 55(16.51,0) 56(19.05,0) 57(21.59,0) 58(24.13,0) 59(26.67,0) 60(29.21,0) 61(34.29,0) 62(31.75,0) 63(36.83,0) 64(39.37,0) 65(-39.37,-2.54) 66(-36.83,-2.54) 67(-34.29,-2.54) 68(-31.75,-2.54) 69(-29.21,-2.54) 70(-26.67,-2.54) 71(-24.13,-2.54) 72(-21.59,-2.54) 73(-19.05,-2.54) 74(-16.51,-2.54) 75(-13.97,-2.54) 76(-11.43,-2.54) 77(-8.89,-2.54) 78(-6.35,-2.54) 79(-3.81,-2.54) 80(-1.27,-2.54) 81(1.27,-2.54) 82(3.81,-2.54) 83(6.35,-2.54) 84(8.89,-2.54) 85(11.43,-2.54) 86(13.97,-2.54) 87(16.51,-2.54) 88(19.05,-2.54) 89(21.59,-2.54) 90(24.13,-2.54) 91(26.67,-2.54) 92(29.21,-2.54) 93(34.29,-2.54) 94(31.75,-2.54) 95(36.83,-2.54) 96(39.37,-2.54)
  round 2.901 hole 2.901: 1a(-44.996,0) 1a(44.996,0)
